# EAGLE board Mk4 Final Panel 8up 2x4 (EAGLE 9.0.1), part 14 of 23
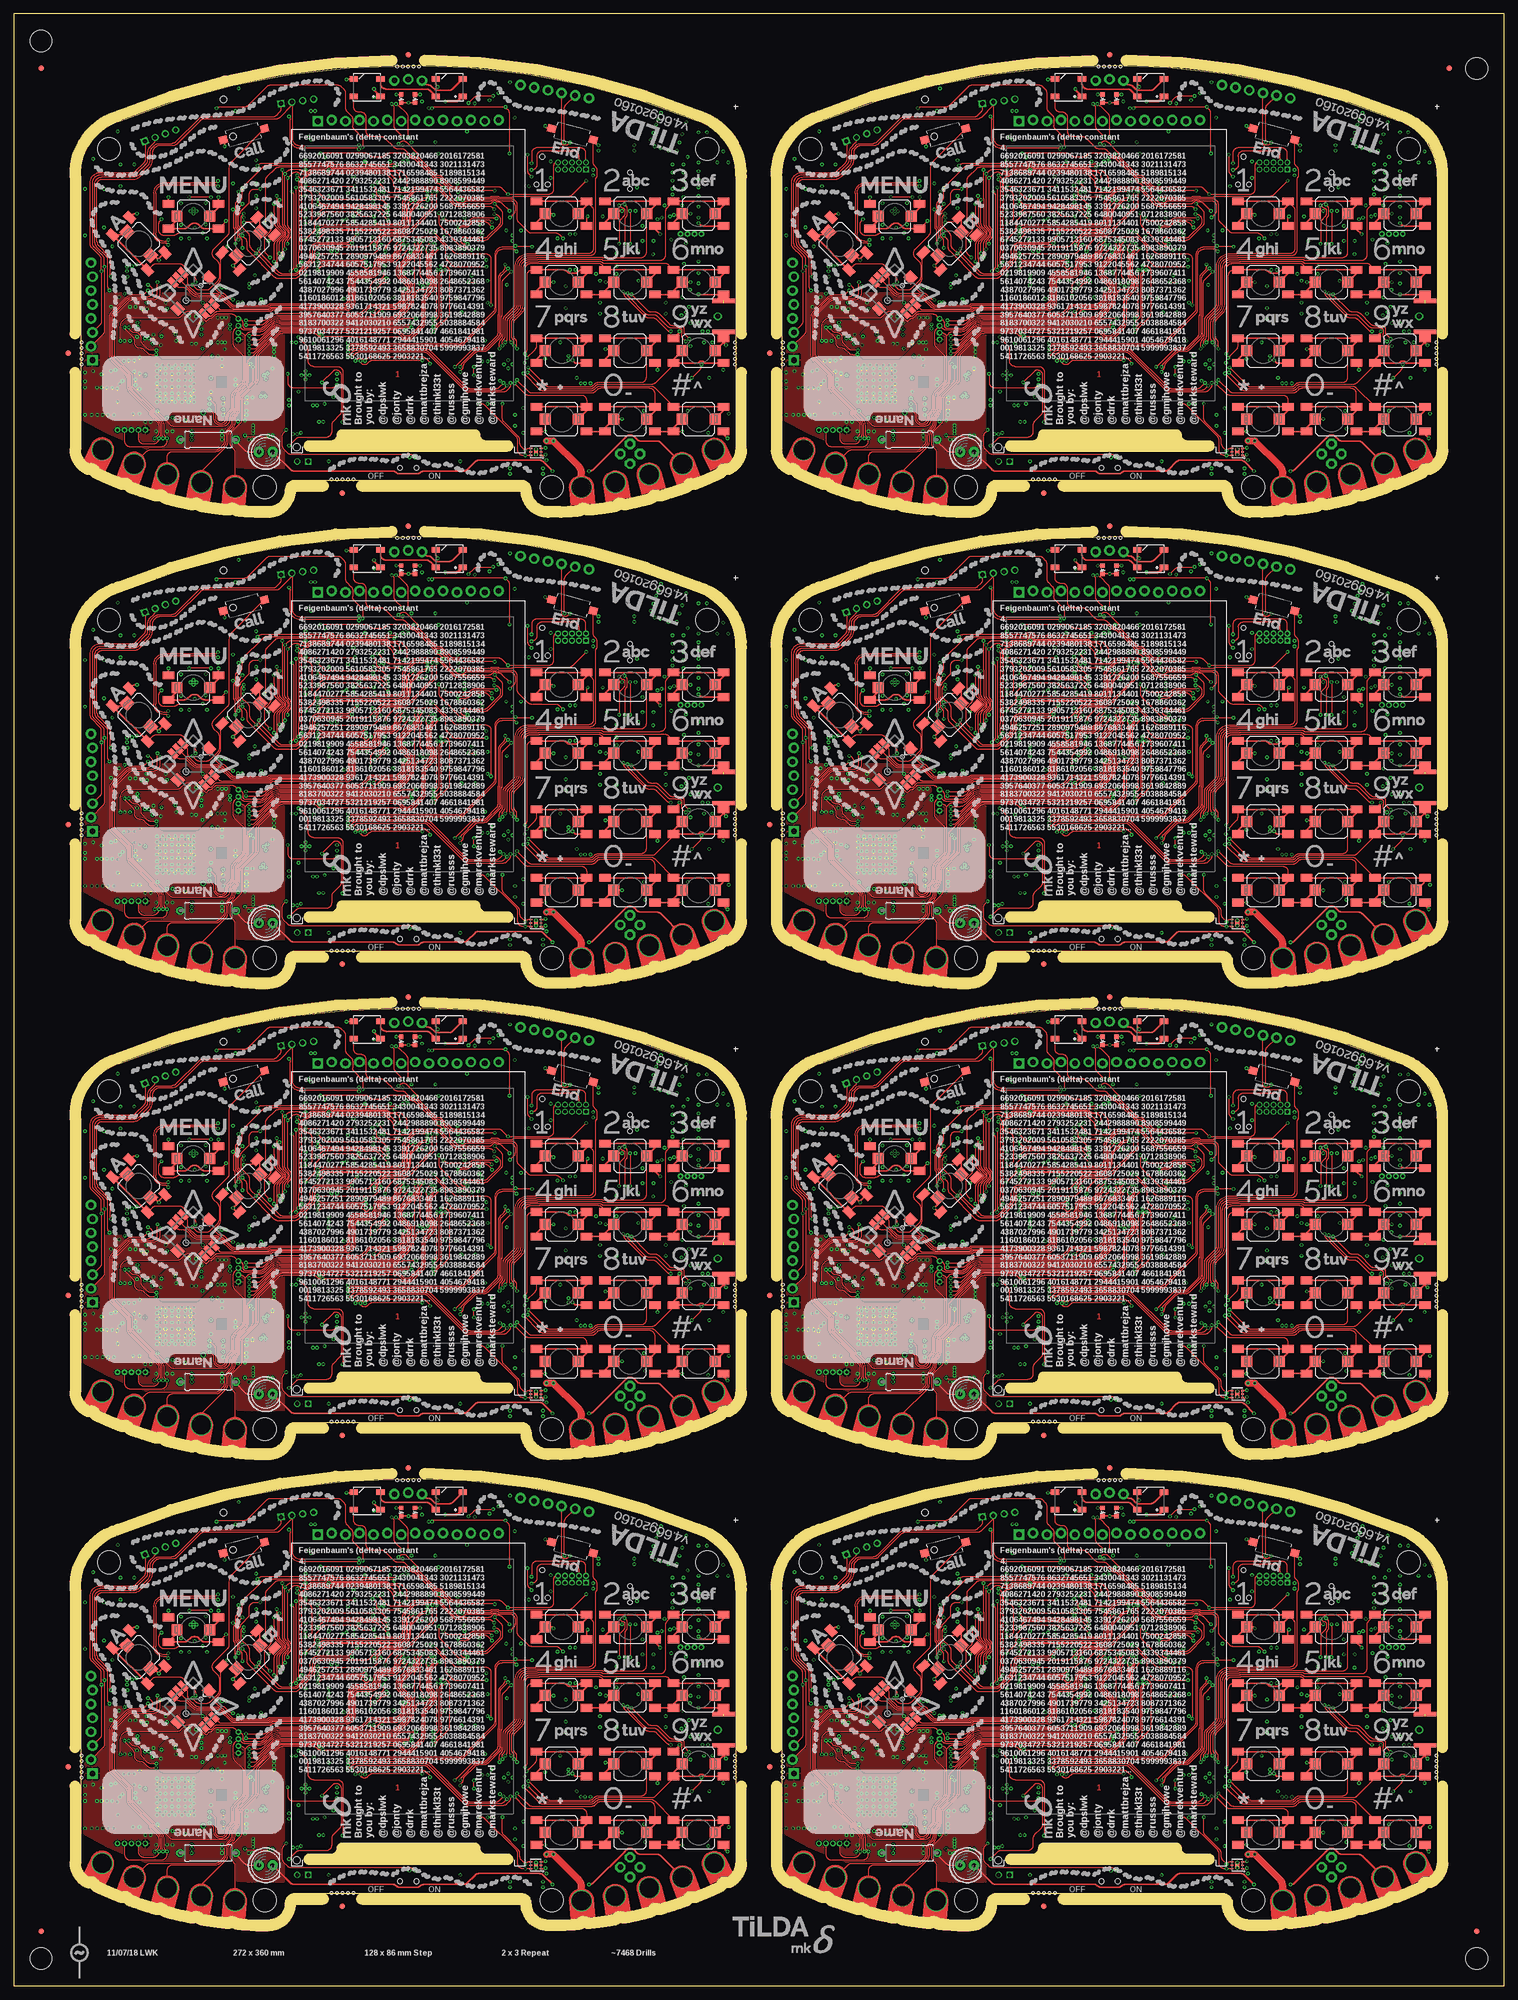
[diagram p0: board, top side]
## Tracks (layer width: path | path; a pad name or v marks a point on that pad's centre or on a via) (continued)
I2C5_EXT_SDA  (via drill 0.3) (continued)
  Bottom 0.2: IC1.120 80.92,62 arc-45 81.28,61.85 81.43,61.7 arc45 81.78,61.56 82.99,61.56 arc-45 83.34,61.41 R23.1 84.2,60.55 arc45 84.56,60.4 84.9,60.4 arc-90 85.4,59.9 85.4,59.21 arc-45 85.11,58.51 84.97,58.38 84.97,53.96 arc45 85.27,53.26 85.56,52.97 arc45 86.26,52.67 87.91,52.67 arc-45 88.62,52.38 94.66,46.34 arc-45 95.1,45.28 95.1,39.37 arc45 95.47,38.49 100.19,33.77 arc45 101.07,33.4 105.49,33.4 arc-45 106.19,33.11 109.56,29.75 arc-45 109.85,29.04 109.85,22.92 arc45 110.14,22.21 J11.4 112.09,21.65 arc-45 112.79,21.36 115.71,18.44 arc-45 PCB.SDA | JP6.7 v17.74,53.99 v17.75,54
  Bottom 0.3: J8.6 J8.2
I2C5_EXT_SDA1  (via drill 0.3)
  Top 0.2: v145.75,54 145.72,54.02 arc-45 145.5,54.57 145.5,57.24 arc45 145.21,57.94 143.49,59.66 arc-45 143.2,60.36 143.2,70.8 arc-90 144.2,71.8 149.88,71.8 arc45 151.11,72.31 152.79,73.99 arc45 153.3,75.22 153.3,76.64 arc-45 153.59,77.34 153.86,77.61 arc-45 154.56,77.9 156.93,77.9 arc45 157.82,78.27 162.01,82.46 arc-45 162.71,82.75 175.84,82.75 arc45 176.54,83.04 178.76,85.26 J18.2 178.76,85.24 178.9,85.1 178.9,79.3 arc90 180.4,77.8 190.8,77.8 v191,78
  3V3@2 0.15: v203.3,62.2 203.3,63.2 198.72,67.78 198.46,67.78 197.97,68.26 197.97,68.53 196.3,70.2 196.3,72.8 195.9,73.2 191.3,73.2 190.7,73.8 190.7,76.7 190.4,77 190.4,77.4 v191,78
  Bottom 0.15: IC20.120 206.92,62 arc-45 206.91,62 arc45 206.74,62.08 arc-45 206.03,62.37 205.72,62.68 arc45 205.01,62.98 204.49,62.98 arc45 203.78,62.68 v203.3,62.2
  Bottom 0.2: IC20.120 208.93,62 arc-45 209.28,61.85 209.43,61.7 arc45 209.78,61.56 210.99,61.56 arc-45 211.34,61.41 R105.1 212.2,60.55 arc45 212.56,60.4 212.9,60.4 arc-90 213.4,59.9 213.4,59.21 arc-45 213.11,58.51 212.97,58.38 212.97,53.96 arc45 213.27,53.26 213.56,52.97 arc45 214.26,52.67 215.91,52.67 arc-45 216.62,52.38 222.66,46.34 arc-45 223.1,45.28 223.1,39.37 arc45 223.47,38.49 228.19,33.77 arc45 229.07,33.4 233.49,33.4 arc-45 234.19,33.11 237.56,29.75 arc-45 237.85,29.04 237.85,22.92 arc45 238.14,22.21 J20.4 240.09,21.65 arc-45 240.79,21.36 243.71,18.44 arc-45 PCB1.SDA | JP17.7 v145.74,53.99 v145.75,54
  Bottom 0.3: J18.6 J18.2
I2C5_EXT_SDA2  (via drill 0.3)
  Top 0.2: v17.75,140 17.73,140.03 arc-45 17.5,140.57 17.5,143.24 arc45 17.21,143.94 15.49,145.66 arc-45 15.2,146.36 15.2,156.8 arc-90 16.2,157.8 21.88,157.8 arc45 23.11,158.31 24.79,159.99 arc45 25.3,161.22 25.3,162.64 arc-45 25.59,163.34 25.86,163.61 arc-45 26.56,163.9 28.93,163.9 arc45 29.82,164.27 34.01,168.46 arc-45 34.71,168.75 47.84,168.75 arc45 48.54,169.04 50.76,171.26 J28.2 50.76,171.24 50.9,171.1 50.9,165.3 arc90 52.4,163.8 62.8,163.8 v63,164
  3V3@2 0.15: v75.3,148.2 75.3,149.2 70.72,153.78 70.46,153.78 69.97,154.26 69.97,154.53 68.3,156.2 68.3,158.8 67.9,159.2 63.3,159.2 62.7,159.8 62.7,162.7 62.4,163 62.4,163.4 v63,164
  Bottom 0.15: IC38.120 78.92,148 arc-45 78.91,148 arc45 78.74,148.07 arc-45 78.03,148.37 77.72,148.68 arc45 77.01,148.97 76.49,148.97 arc45 75.78,148.68 v75.3,148.2
  Bottom 0.2: IC38.120 80.92,148 arc-45 81.28,147.85 81.43,147.7 arc45 81.78,147.56 82.99,147.56 arc-45 83.34,147.41 R183.1 84.2,146.55 arc45 84.56,146.4 84.9,146.4 arc-90 85.4,145.9 85.4,145.21 arc-45 85.11,144.51 84.97,144.38 84.97,139.96 arc45 85.27,139.25 85.56,138.97 arc45 86.26,138.68 87.91,138.68 arc-45 88.62,138.38 94.66,132.34 arc-45 95.1,131.28 95.1,125.37 arc45 95.47,124.49 100.19,119.77 arc45 101.07,119.4 105.49,119.4 arc-45 106.19,119.11 109.56,115.75 arc-45 109.85,115.04 109.85,108.92 arc45 110.14,108.21 J30.4 112.09,107.65 arc-45 112.79,107.36 115.71,104.44 arc-45 PCB2.SDA | JP26.7 v17.74,139.99 v17.75,140
  Bottom 0.3: J28.6 J28.2
I2C5_EXT_SDA3  (via drill 0.3)
  Top 0.2: v145.75,140 145.72,140.03 arc-45 145.5,140.57 145.5,143.24 arc45 145.21,143.94 143.49,145.66 arc-45 143.2,146.36 143.2,156.8 arc-90 144.2,157.8 149.88,157.8 arc45 151.11,158.31 152.79,159.99 arc45 153.3,161.22 153.3,162.64 arc-45 153.59,163.34 153.86,163.61 arc-45 154.56,163.9 156.93,163.9 arc45 157.82,164.27 162.01,168.46 arc-45 162.71,168.75 175.84,168.75 arc45 176.54,169.04 178.76,171.26 J38.2 178.76,171.24 178.9,171.1 178.9,165.3 arc90 180.4,163.8 190.8,163.8 v191,164
  3V3@2 0.15: v203.3,148.2 203.3,149.2 198.72,153.78 198.46,153.78 197.97,154.26 197.97,154.53 196.3,156.2 196.3,158.8 195.9,159.2 191.3,159.2 190.7,159.8 190.7,162.7 190.4,163 190.4,163.4 v191,164
  Bottom 0.15: IC56.120 206.92,148 arc-45 206.91,148 arc45 206.74,148.07 arc-45 206.03,148.37 205.72,148.68 arc45 205.01,148.97 204.49,148.97 arc45 203.78,148.68 v203.3,148.2
  Bottom 0.2: IC56.120 208.93,148 arc-45 209.28,147.85 209.43,147.7 arc45 209.78,147.56 210.99,147.56 arc-45 211.34,147.41 R261.1 212.2,146.55 arc45 212.56,146.4 212.9,146.4 arc-90 213.4,145.9 213.4,145.21 arc-45 213.11,144.51 212.97,144.38 212.97,139.96 arc45 213.27,139.25 213.56,138.97 arc45 214.26,138.68 215.91,138.68 arc-45 216.62,138.38 222.66,132.34 arc-45 223.1,131.28 223.1,125.37 arc45 223.47,124.49 228.19,119.77 arc45 229.07,119.4 233.49,119.4 arc-45 234.19,119.11 237.56,115.75 arc-45 237.85,115.04 237.85,108.92 arc45 238.14,108.21 J40.4 240.09,107.65 arc-45 240.79,107.36 243.71,104.44 arc-45 PCB3.SDA | JP35.7 v145.74,139.99 v145.75,140
  Bottom 0.3: J38.6 J38.2
I2C5_EXT_SDA4  (via drill 0.3)
  Top 0.2: v17.75,226 17.73,226.03 arc-45 17.5,226.57 17.5,229.24 arc45 17.21,229.94 15.49,231.66 arc-45 15.2,232.36 15.2,242.8 arc-90 16.2,243.8 21.88,243.8 arc45 23.11,244.31 24.79,245.99 arc45 25.3,247.22 25.3,248.64 arc-45 25.59,249.34 25.86,249.61 arc-45 26.56,249.9 28.93,249.9 arc45 29.82,250.27 34.01,254.46 arc-45 34.71,254.75 47.84,254.75 arc45 48.54,255.04 50.76,257.26 J48.2 50.76,257.24 50.9,257.1 50.9,251.3 arc90 52.4,249.8 62.8,249.8 v63,250
  3V3@2 0.15: v75.3,234.2 75.3,235.2 70.72,239.78 70.46,239.78 69.97,240.26 69.97,240.53 68.3,242.2 68.3,244.8 67.9,245.2 63.3,245.2 62.7,245.8 62.7,248.7 62.4,249 62.4,249.4 v63,250
  Bottom 0.15: IC74.120 78.92,234 arc-45 78.91,234 arc45 78.74,234.07 arc-45 78.03,234.37 77.72,234.68 arc45 77.01,234.97 76.49,234.97 arc45 75.78,234.68 v75.3,234.2
  Bottom 0.2: IC74.120 80.92,234 arc-45 81.28,233.85 81.43,233.7 arc45 81.78,233.56 82.99,233.56 arc-45 83.34,233.41 R339.1 84.2,232.55 arc45 84.56,232.4 84.9,232.4 arc-90 85.4,231.9 85.4,231.21 arc-45 85.11,230.51 84.97,230.38 84.97,225.96 arc45 85.27,225.25 85.56,224.97 arc45 86.26,224.68 87.91,224.68 arc-45 88.62,224.38 94.66,218.34 arc-45 95.1,217.28 95.1,211.37 arc45 95.47,210.49 100.19,205.77 arc45 101.07,205.4 105.49,205.4 arc-45 106.19,205.11 109.56,201.75 arc-45 109.85,201.04 109.85,194.92 arc45 110.14,194.21 J50.4 112.09,193.65 arc-45 112.79,193.36 115.71,190.44 arc-45 PCB4.SDA | JP44.7 v17.74,225.99 v17.75,226
  Bottom 0.3: J48.6 J48.2
I2C5_EXT_SDA5  (via drill 0.3)
  Top 0.2: v145.75,226 145.72,226.03 arc-45 145.5,226.57 145.5,229.24 arc45 145.21,229.94 143.49,231.66 arc-45 143.2,232.36 143.2,242.8 arc-90 144.2,243.8 149.88,243.8 arc45 151.11,244.31 152.79,245.99 arc45 153.3,247.22 153.3,248.64 arc-45 153.59,249.34 153.86,249.61 arc-45 154.56,249.9 156.93,249.9 arc45 157.82,250.27 162.01,254.46 arc-45 162.71,254.75 175.84,254.75 arc45 176.54,255.04 178.76,257.26 J58.2 178.76,257.24 178.9,257.1 178.9,251.3 arc90 180.4,249.8 190.8,249.8 v191,250
  3V3@2 0.15: v203.3,234.2 203.3,235.2 198.72,239.78 198.46,239.78 197.97,240.26 197.97,240.53 196.3,242.2 196.3,244.8 195.9,245.2 191.3,245.2 190.7,245.8 190.7,248.7 190.4,249 190.4,249.4 v191,250
  Bottom 0.15: IC92.120 206.92,234 arc-45 206.91,234 arc45 206.74,234.07 arc-45 206.03,234.37 205.72,234.68 arc45 205.01,234.97 204.49,234.97 arc45 203.78,234.68 v203.3,234.2
  Bottom 0.2: IC92.120 208.93,234 arc-45 209.28,233.85 209.43,233.7 arc45 209.78,233.56 210.99,233.56 arc-45 211.34,233.41 R417.1 212.2,232.55 arc45 212.56,232.4 212.9,232.4 arc-90 213.4,231.9 213.4,231.21 arc-45 213.11,230.51 212.97,230.38 212.97,225.96 arc45 213.27,225.25 213.56,224.97 arc45 214.26,224.68 215.91,224.68 arc-45 216.62,224.38 222.66,218.34 arc-45 223.1,217.28 223.1,211.37 arc45 223.47,210.49 228.19,205.77 arc45 229.07,205.4 233.49,205.4 arc-45 234.19,205.11 237.56,201.75 arc-45 237.85,201.04 237.85,194.92 arc45 238.14,194.21 J60.4 240.09,193.65 arc-45 240.79,193.36 243.71,190.44 arc-45 PCB5.SDA | JP53.7 v145.74,225.99 v145.75,226
  Bottom 0.3: J58.6 J58.2
I2C5_EXT_SDA6  (via drill 0.3)
  Top 0.2: v17.75,312 17.73,312.02 arc-45 17.5,312.57 17.5,315.24 arc45 17.21,315.94 15.49,317.66 arc-45 15.2,318.36 15.2,328.8 arc-90 16.2,329.8 21.88,329.8 arc45 23.11,330.31 24.79,331.99 arc45 25.3,333.23 25.3,334.64 arc-45 25.59,335.34 25.86,335.61 arc-45 26.56,335.9 28.93,335.9 arc45 29.82,336.27 34.01,340.46 arc-45 34.71,340.75 47.84,340.75 arc45 48.54,341.04 50.76,343.26 J68.2 50.76,343.24 50.9,343.1 50.9,337.3 arc90 52.4,335.8 62.8,335.8 v63,336
  3V3@2 0.15: v75.3,320.2 75.3,321.2 70.72,325.77 70.46,325.77 69.97,326.26 69.97,326.52 68.3,328.2 68.3,330.8 67.9,331.2 63.3,331.2 62.7,331.8 62.7,334.7 62.4,335 62.4,335.4 v63,336
  Bottom 0.15: IC110.120 78.92,320 arc-45 78.91,320 arc45 78.74,320.07 arc-45 78.03,320.37 77.72,320.68 arc45 77.01,320.98 76.49,320.98 arc45 75.78,320.68 v75.3,320.2
  Bottom 0.2: IC110.120 80.92,320 arc-45 81.28,319.85 81.43,319.7 arc45 81.78,319.56 82.99,319.56 arc-45 83.34,319.41 R495.1 84.2,318.55 arc45 84.56,318.4 84.9,318.4 arc-90 85.4,317.9 85.4,317.21 arc-45 85.11,316.51 84.97,316.38 84.97,311.96 arc45 85.27,311.25 85.56,310.97 arc45 86.26,310.68 87.91,310.68 arc-45 88.62,310.38 94.66,304.34 arc-45 95.1,303.28 95.1,297.37 arc45 95.47,296.49 100.19,291.77 arc45 101.07,291.4 105.49,291.4 arc-45 106.19,291.11 109.56,287.75 arc-45 109.85,287.04 109.85,280.92 arc45 110.14,280.21 J70.4 112.09,279.65 arc-45 112.79,279.36 115.71,276.44 arc-45 PCB6.SDA | JP62.7 v17.74,311.99 v17.75,312
  Bottom 0.3: J68.6 J68.2
I2C5_EXT_SDA7  (via drill 0.3)
  Top 0.2: v145.75,312 145.72,312.02 arc-45 145.5,312.57 145.5,315.24 arc45 145.21,315.94 143.49,317.66 arc-45 143.2,318.36 143.2,328.8 arc-90 144.2,329.8 149.88,329.8 arc45 151.11,330.31 152.79,331.99 arc45 153.3,333.23 153.3,334.64 arc-45 153.59,335.34 153.86,335.61 arc-45 154.56,335.9 156.93,335.9 arc45 157.82,336.27 162.01,340.46 arc-45 162.71,340.75 175.84,340.75 arc45 176.54,341.04 178.76,343.26 J78.2 178.76,343.24 178.9,343.1 178.9,337.3 arc90 180.4,335.8 190.8,335.8 v191,336
  3V3@2 0.15: v203.3,320.2 203.3,321.2 198.72,325.77 198.46,325.77 197.97,326.26 197.97,326.52 196.3,328.2 196.3,330.8 195.9,331.2 191.3,331.2 190.7,331.8 190.7,334.7 190.4,335 190.4,335.4 v191,336
  Bottom 0.15: IC128.120 206.92,320 arc-45 206.91,320 arc45 206.74,320.07 arc-45 206.03,320.37 205.72,320.68 arc45 205.01,320.98 204.49,320.98 arc45 203.78,320.68 v203.3,320.2
  Bottom 0.2: IC128.120 208.93,320 arc-45 209.28,319.85 209.43,319.7 arc45 209.78,319.56 210.99,319.56 arc-45 211.34,319.41 R573.1 212.2,318.55 arc45 212.56,318.4 212.9,318.4 arc-90 213.4,317.9 213.4,317.21 arc-45 213.11,316.51 212.97,316.38 212.97,311.96 arc45 213.27,311.25 213.56,310.97 arc45 214.26,310.68 215.91,310.68 arc-45 216.62,310.38 222.66,304.34 arc-45 223.1,303.28 223.1,297.37 arc45 223.47,296.49 228.19,291.77 arc45 229.07,291.4 233.49,291.4 arc-45 234.19,291.11 237.56,287.75 arc-45 237.85,287.04 237.85,280.92 arc45 238.14,280.21 J80.4 240.09,279.65 arc-45 240.79,279.36 243.71,276.44 arc-45 PCB7.SDA | JP71.7 v145.74,311.99 v145.75,312
  Bottom 0.3: J78.6 J78.2
JOY_CEN  (via drill 0.3)
  Top 0.15: SW1.CTR 32.77,51.02 arc45 33.66,50.66 36.79,50.66 arc-45 37.15,50.51 37.16,50.5 arc45 37.52,50.35 37.78,50.35 arc-45 38.13,50.2 39.49,48.84 arc45 40.38,48.48 46.44,48.48 arc45 46.61,48.55 46.74,48.68 arc-45 46.92,48.75 60.28,48.75 arc90 61.45,49.92 61.45,53.59 arc-90 62.56,54.7 64.85,54.7 arc90 66.1,55.95 66.1,56.35 arc-90 67.35,57.6 68.92,57.6 arc45 69.27,57.75 69.75,58.23 arc45 69.9,58.58 69.9,59.09 arc-45 70.05,59.45 v71.2,60.6
  Bottom 0.15: v71.2,60.6 70.99,60.81 arc-45 70.7,61.51 70.7,66.09 arc45 70.41,66.79 68.89,68.31 arc-45 68.6,69.01 IC1.72
JOY_CEN1  (via drill 0.3)
  Top 0.15: SW2.CTR 160.78,51.02 arc45 161.66,50.66 164.79,50.66 arc-45 165.15,50.51 165.16,50.5 arc45 165.52,50.35 165.78,50.35 arc-45 166.13,50.2 167.49,48.84 arc45 168.38,48.48 174.44,48.48 arc45 174.62,48.55 174.74,48.68 arc-45 174.92,48.75 188.28,48.75 arc90 189.45,49.92 189.45,53.59 arc-90 190.56,54.7 192.85,54.7 arc90 194.1,55.95 194.1,56.35 arc-90 195.35,57.6 196.92,57.6 arc45 197.27,57.75 197.75,58.23 arc45 197.9,58.58 197.9,59.09 arc-45 198.05,59.45 v199.2,60.6
  Bottom 0.15: v199.2,60.6 198.99,60.81 arc-45 198.7,61.51 198.7,66.09 arc45 198.41,66.79 196.89,68.31 arc-45 196.6,69.01 IC20.72
JOY_CEN2  (via drill 0.3)
  Top 0.15: SW3.CTR 32.77,137.03 arc45 33.66,136.66 36.79,136.66 arc-45 37.15,136.51 37.16,136.5 arc45 37.52,136.35 37.78,136.35 arc-45 38.13,136.2 39.49,134.84 arc45 40.38,134.47 46.44,134.47 arc45 46.61,134.55 46.74,134.68 arc-45 46.92,134.75 60.28,134.75 arc90 61.45,135.92 61.45,139.59 arc-90 62.56,140.7 64.85,140.7 arc90 66.1,141.95 66.1,142.35 arc-90 67.35,143.6 68.92,143.6 arc45 69.27,143.75 69.75,144.23 arc45 69.9,144.58 69.9,145.09 arc-45 70.05,145.45 v71.2,146.6
  Bottom 0.15: v71.2,146.6 70.99,146.81 arc-45 70.7,147.51 70.7,152.09 arc45 70.41,152.79 68.89,154.31 arc-45 68.6,155.01 IC38.72
JOY_CEN3  (via drill 0.3)
  Top 0.15: SW4.CTR 160.78,137.03 arc45 161.66,136.66 164.79,136.66 arc-45 165.15,136.51 165.16,136.5 arc45 165.52,136.35 165.78,136.35 arc-45 166.13,136.2 167.49,134.84 arc45 168.38,134.47 174.44,134.47 arc45 174.62,134.55 174.74,134.68 arc-45 174.92,134.75 188.28,134.75 arc90 189.45,135.92 189.45,139.59 arc-90 190.56,140.7 192.85,140.7 arc90 194.1,141.95 194.1,142.35 arc-90 195.35,143.6 196.92,143.6 arc45 197.27,143.75 197.75,144.23 arc45 197.9,144.58 197.9,145.09 arc-45 198.05,145.45 v199.2,146.6
  Bottom 0.15: v199.2,146.6 198.99,146.81 arc-45 198.7,147.51 198.7,152.09 arc45 198.41,152.79 196.89,154.31 arc-45 196.6,155.01 IC56.72
JOY_CEN4  (via drill 0.3)
  Top 0.15: SW5.CTR 32.77,223.03 arc45 33.66,222.66 36.79,222.66 arc-45 37.15,222.51 37.16,222.5 arc45 37.52,222.35 37.78,222.35 arc-45 38.13,222.2 39.49,220.84 arc45 40.38,220.47 46.44,220.47 arc45 46.61,220.55 46.74,220.68 arc-45 46.92,220.75 60.28,220.75 arc90 61.45,221.92 61.45,225.59 arc-90 62.56,226.7 64.85,226.7 arc90 66.1,227.95 66.1,228.35 arc-90 67.35,229.6 68.92,229.6 arc45 69.27,229.75 69.75,230.23 arc45 69.9,230.58 69.9,231.09 arc-45 70.05,231.45 v71.2,232.6
  Bottom 0.15: v71.2,232.6 70.99,232.81 arc-45 70.7,233.51 70.7,238.09 arc45 70.41,238.79 68.89,240.31 arc-45 68.6,241.01 IC74.72
JOY_CEN5  (via drill 0.3)
  Top 0.15: SW6.CTR 160.78,223.03 arc45 161.66,222.66 164.79,222.66 arc-45 165.15,222.51 165.16,222.5 arc45 165.52,222.35 165.78,222.35 arc-45 166.13,222.2 167.49,220.84 arc45 168.38,220.47 174.44,220.47 arc45 174.62,220.55 174.74,220.68 arc-45 174.92,220.75 188.28,220.75 arc90 189.45,221.92 189.45,225.59 arc-90 190.56,226.7 192.85,226.7 arc90 194.1,227.95 194.1,228.35 arc-90 195.35,229.6 196.92,229.6 arc45 197.27,229.75 197.75,230.23 arc45 197.9,230.58 197.9,231.09 arc-45 198.05,231.45 v199.2,232.6
  Bottom 0.15: v199.2,232.6 198.99,232.81 arc-45 198.7,233.51 198.7,238.09 arc45 198.41,238.79 196.89,240.31 arc-45 196.6,241.01 IC92.72
JOY_CEN6  (via drill 0.3)
  Top 0.15: SW7.CTR 32.77,309.02 arc45 33.66,308.66 36.79,308.66 arc-45 37.15,308.51 37.16,308.5 arc45 37.52,308.35 37.78,308.35 arc-45 38.13,308.2 39.49,306.84 arc45 40.38,306.48 46.44,306.48 arc45 46.61,306.55 46.74,306.68 arc-45 46.92,306.75 60.28,306.75 arc90 61.45,307.92 61.45,311.59 arc-90 62.56,312.7 64.85,312.7 arc90 66.1,313.95 66.1,314.35 arc-90 67.35,315.6 68.92,315.6 arc45 69.27,315.75 69.75,316.23 arc45 69.9,316.58 69.9,317.09 arc-45 70.05,317.45 v71.2,318.6
  Bottom 0.15: v71.2,318.6 70.99,318.81 arc-45 70.7,319.51 70.7,324.09 arc45 70.41,324.79 68.89,326.31 arc-45 68.6,327.01 IC110.72
JOY_CEN7  (via drill 0.3)
  Top 0.15: SW8.CTR 160.78,309.02 arc45 161.66,308.66 164.79,308.66 arc-45 165.15,308.51 165.16,308.5 arc45 165.52,308.35 165.78,308.35 arc-45 166.13,308.2 167.49,306.84 arc45 168.38,306.48 174.44,306.48 arc45 174.62,306.55 174.74,306.68 arc-45 174.92,306.75 188.28,306.75 arc90 189.45,307.92 189.45,311.59 arc-90 190.56,312.7 192.85,312.7 arc90 194.1,313.95 194.1,314.35 arc-90 195.35,315.6 196.92,315.6 arc45 197.27,315.75 197.75,316.23 arc45 197.9,316.58 197.9,317.09 arc-45 198.05,317.45 v199.2,318.6
  Bottom 0.15: v199.2,318.6 198.99,318.81 arc-45 198.7,319.51 198.7,324.09 arc45 198.41,324.79 196.89,326.31 arc-45 196.6,327.01 IC128.72
JOY_DOWN  (via drill 0.3)
  Top 0.15: v72,59.8 72,59.41 arc-45 71.71,58.71 69.85,56.85 arc-45 69.49,56.7 67.5,56.7 arc90 67,56.2 67,55.8 arc-90 65,53.8 62.95,53.8 arc90 62.35,53.2 62.35,49.52 arc-90 60.67,47.85 47.29,47.85 arc45 47.12,47.78 46.99,47.65 arc-45 46.81,47.58 37.08,47.58 arc45 36.73,47.43 36.15,46.85 arc-45 35.79,46.7 35.3,46.7 SW1.D
  Bottom 0.15: v72,59.8 72.1,59.9 72.1,60.61 arc45 71.81,61.32 71.59,61.53 arc-45 71.3,62.24 71.3,66.69 arc45 71.01,67.39 69.69,68.71 arc-45 69.4,69.41 IC1.74
JOY_DOWN1  (via drill 0.3)
  Top 0.15: v200,59.8 200,59.41 arc-45 199.71,58.71 197.85,56.85 arc-45 197.49,56.7 195.5,56.7 arc90 195,56.2 195,55.8 arc-90 193,53.8 190.94,53.8 arc90 190.35,53.2 190.35,49.52 arc-90 188.68,47.85 175.29,47.85 arc45 175.12,47.78 174.99,47.65 arc-45 174.81,47.58 165.08,47.58 arc45 164.73,47.43 164.15,46.85 arc-45 163.79,46.7 163.3,46.7 SW2.D
  Bottom 0.15: v200,59.8 200.1,59.9 200.1,60.61 arc45 199.81,61.32 199.59,61.53 arc-45 199.3,62.24 199.3,66.69 arc45 199.01,67.39 197.69,68.71 arc-45 197.4,69.41 IC20.74
JOY_DOWN2  (via drill 0.3)
  Top 0.15: v72,145.8 72,145.41 arc-45 71.71,144.71 69.85,142.85 arc-45 69.49,142.7 67.5,142.7 arc90 67,142.2 67,141.8 arc-90 65,139.8 62.95,139.8 arc90 62.35,139.2 62.35,135.53 arc-90 60.67,133.85 47.29,133.85 arc45 47.12,133.78 46.99,133.65 arc-45 46.81,133.57 37.08,133.57 arc45 36.73,133.43 36.15,132.85 arc-45 35.79,132.7 35.3,132.7 SW3.D
  Bottom 0.15: v72,145.8 72.1,145.9 72.1,146.61 arc45 71.81,147.32 71.59,147.53 arc-45 71.3,148.24 71.3,152.69 arc45 71.01,153.39 69.69,154.71 arc-45 69.4,155.41 IC38.74
JOY_DOWN3  (via drill 0.3)
  Top 0.15: v200,145.8 200,145.41 arc-45 199.71,144.71 197.85,142.85 arc-45 197.49,142.7 195.5,142.7 arc90 195,142.2 195,141.8 arc-90 193,139.8 190.94,139.8 arc90 190.35,139.2 190.35,135.53 arc-90 188.68,133.85 175.29,133.85 arc45 175.12,133.78 174.99,133.65 arc-45 174.81,133.57 165.08,133.57 arc45 164.73,133.43 164.15,132.85 arc-45 163.79,132.7 163.3,132.7 SW4.D
  Bottom 0.15: v200,145.8 200.1,145.9 200.1,146.61 arc45 199.81,147.32 199.59,147.53 arc-45 199.3,148.24 199.3,152.69 arc45 199.01,153.39 197.69,154.71 arc-45 197.4,155.41 IC56.74
JOY_DOWN4  (via drill 0.3)
  Top 0.15: v72,231.8 72,231.41 arc-45 71.71,230.71 69.85,228.85 arc-45 69.49,228.7 67.5,228.7 arc90 67,228.2 67,227.8 arc-90 65,225.8 62.95,225.8 arc90 62.35,225.21 62.35,221.53 arc-90 60.67,219.85 47.29,219.85 arc45 47.12,219.78 46.99,219.65 arc-45 46.81,219.57 37.08,219.57 arc45 36.73,219.43 36.15,218.85 arc-45 35.79,218.7 35.3,218.7 SW5.D
  Bottom 0.15: v72,231.8 72.1,231.9 72.1,232.61 arc45 71.81,233.32 71.59,233.53 arc-45 71.3,234.24 71.3,238.69 arc45 71.01,239.39 69.69,240.71 arc-45 69.4,241.41 IC74.74
JOY_DOWN5  (via drill 0.3)
  Top 0.15: v200,231.8 200,231.41 arc-45 199.71,230.71 197.85,228.85 arc-45 197.49,228.7 195.5,228.7 arc90 195,228.2 195,227.8 arc-90 193,225.8 190.94,225.8 arc90 190.35,225.21 190.35,221.53 arc-90 188.68,219.85 175.29,219.85 arc45 175.12,219.78 174.99,219.65 arc-45 174.81,219.57 165.08,219.57 arc45 164.73,219.43 164.15,218.85 arc-45 163.79,218.7 163.3,218.7 SW6.D
  Bottom 0.15: v200,231.8 200.1,231.9 200.1,232.61 arc45 199.81,233.32 199.59,233.53 arc-45 199.3,234.24 199.3,238.69 arc45 199.01,239.39 197.69,240.71 arc-45 197.4,241.41 IC92.74
JOY_DOWN6  (via drill 0.3)
  Top 0.15: v72,317.8 72,317.41 arc-45 71.71,316.71 69.85,314.85 arc-45 69.49,314.7 67.5,314.7 arc90 67,314.2 67,313.8 arc-90 65,311.8 62.95,311.8 arc90 62.35,311.2 62.35,307.52 arc-90 60.67,305.85 47.29,305.85 arc45 47.12,305.78 46.99,305.65 arc-45 46.81,305.57 37.08,305.57 arc45 36.73,305.43 36.15,304.85 arc-45 35.79,304.7 35.3,304.7 SW7.D
  Bottom 0.15: v72,317.8 72.1,317.9 72.1,318.61 arc45 71.81,319.32 71.59,319.53 arc-45 71.3,320.24 71.3,324.69 arc45 71.01,325.39 69.69,326.71 arc-45 69.4,327.41 IC110.74
JOY_DOWN7  (via drill 0.3)
  Top 0.15: v200,317.8 200,317.41 arc-45 199.71,316.71 197.85,314.85 arc-45 197.49,314.7 195.5,314.7 arc90 195,314.2 195,313.8 arc-90 193,311.8 190.94,311.8 arc90 190.35,311.2 190.35,307.52 arc-90 188.68,305.85 175.29,305.85 arc45 175.12,305.78 174.99,305.65 arc-45 174.81,305.57 165.08,305.57 arc45 164.73,305.43 164.15,304.85 arc-45 163.79,304.7 163.3,304.7 SW8.D
  Bottom 0.15: v200,317.8 200.1,317.9 200.1,318.61 arc45 199.81,319.32 199.59,319.53 arc-45 199.3,320.24 199.3,324.69 arc45 199.01,325.39 197.69,326.71 arc-45 197.4,327.41 IC128.74
JOY_LEFT  (via drill 0.3)
  Top 0.15: SW1.C 29.65,52.35 arc45 30.35,52.06 30.86,52.06 arc-45 31.56,51.76 32.53,50.8 arc45 33.59,50.36 36.67,50.36 arc-45 37.02,50.21 37.04,50.2 arc45 37.39,50.05 37.65,50.05 arc-45 38.01,49.9 39.3,48.61 arc45 40.36,48.17 46.44,48.17 arc45 46.83,48.34 46.87,48.38 arc-45 47.05,48.45 60.39,48.45 arc90 61.75,49.81 61.75,53.46 arc-90 62.69,54.4 64.9,54.4 arc90 66.4,55.9 66.4,56.3 arc-90 67.4,57.3 69.04,57.3 arc45 69.39,57.45 70.05,58.1 arc45 70.2,58.46 70.2,58.59 arc-45 70.35,58.95 v71.2,59.8
  Bottom 0.15: IC1.73 69,69.21 arc45 69.29,68.51 70.71,67.09 arc-45 71,66.39 71,62.11 arc45 71.29,61.41 71.51,61.19 arc-45 71.8,60.49 arc-45 71.74,60.34 v71.2,59.8
JOY_LEFT1  (via drill 0.3)
  Top 0.15: SW2.C 157.65,52.35 arc45 158.36,52.06 158.86,52.06 arc-45 159.56,51.76 160.53,50.8 arc45 161.59,50.36 164.67,50.36 arc-45 165.02,50.21 165.04,50.2 arc45 165.39,50.05 165.65,50.05 arc-45 166,49.9 167.3,48.61 arc45 168.36,48.17 174.44,48.17 arc45 174.83,48.34 174.87,48.38 arc-45 175.05,48.45 188.39,48.45 arc90 189.75,49.81 189.75,53.46 arc-90 190.69,54.4 192.9,54.4 arc90 194.4,55.9 194.4,56.3 arc-90 195.4,57.3 197.04,57.3 arc45 197.39,57.45 198.05,58.1 arc45 198.2,58.46 198.2,58.59 arc-45 198.35,58.95 v199.2,59.8
  Bottom 0.15: IC20.73 197,69.21 arc45 197.29,68.51 198.71,67.09 arc-45 199,66.39 199,62.11 arc45 199.29,61.41 199.51,61.19 arc-45 199.8,60.49 arc-45 199.74,60.34 v199.2,59.8
JOY_LEFT2  (via drill 0.3)
  Top 0.15: SW3.C 29.65,138.35 arc45 30.35,138.06 30.86,138.06 arc-45 31.56,137.76 32.53,136.8 arc45 33.59,136.36 36.67,136.36 arc-45 37.02,136.21 37.04,136.2 arc45 37.39,136.05 37.65,136.05 arc-45 38.01,135.9 39.3,134.61 arc45 40.36,134.18 46.44,134.18 arc45 46.83,134.34 46.87,134.38 arc-45 47.05,134.45 60.39,134.45 arc90 61.75,135.81 61.75,139.46 arc-90 62.69,140.4 64.9,140.4 arc90 66.4,141.9 66.4,142.3 arc-90 67.4,143.3 69.04,143.3 arc45 69.39,143.45 70.05,144.1 arc45 70.2,144.46 70.2,144.59 arc-45 70.35,144.95 v71.2,145.8
  Bottom 0.15: IC38.73 69,155.21 arc45 69.29,154.51 70.71,153.09 arc-45 71,152.39 71,148.11 arc45 71.29,147.41 71.51,147.19 arc-45 71.8,146.49 arc-45 71.74,146.34 v71.2,145.8
JOY_LEFT3  (via drill 0.3)
  Top 0.15: SW4.C 157.65,138.35 arc45 158.36,138.06 158.86,138.06 arc-45 159.56,137.76 160.53,136.8 arc45 161.59,136.36 164.67,136.36 arc-45 165.02,136.21 165.04,136.2 arc45 165.39,136.05 165.65,136.05 arc-45 166,135.9 167.3,134.61 arc45 168.36,134.18 174.44,134.18 arc45 174.83,134.34 174.87,134.38 arc-45 175.05,134.45 188.39,134.45 arc90 189.75,135.81 189.75,139.46 arc-90 190.69,140.4 192.9,140.4 arc90 194.4,141.9 194.4,142.3 arc-90 195.4,143.3 197.04,143.3 arc45 197.39,143.45 198.05,144.1 arc45 198.2,144.46 198.2,144.59 arc-45 198.35,144.95 v199.2,145.8
  Bottom 0.15: IC56.73 197,155.21 arc45 197.29,154.51 198.71,153.09 arc-45 199,152.39 199,148.11 arc45 199.29,147.41 199.51,147.19 arc-45 199.8,146.49 arc-45 199.74,146.34 v199.2,145.8
JOY_LEFT4  (via drill 0.3)
  Top 0.15: SW5.C 29.65,224.35 arc45 30.35,224.06 30.86,224.06 arc-45 31.56,223.76 32.53,222.8 arc45 33.59,222.36 36.67,222.36 arc-45 37.02,222.21 37.04,222.2 arc45 37.39,222.05 37.65,222.05 arc-45 38.01,221.9 39.3,220.61 arc45 40.36,220.18 46.44,220.18 arc45 46.83,220.34 46.87,220.38 arc-45 47.05,220.45 60.39,220.45 arc90 61.75,221.81 61.75,225.46 arc-90 62.69,226.4 64.9,226.4 arc90 66.4,227.9 66.4,228.3 arc-90 67.4,229.3 69.04,229.3 arc45 69.39,229.45 70.05,230.1 arc45 70.2,230.46 70.2,230.59 arc-45 70.35,230.95 v71.2,231.8
  Bottom 0.15: IC74.73 69,241.21 arc45 69.29,240.51 70.71,239.09 arc-45 71,238.39 71,234.11 arc45 71.29,233.41 71.51,233.19 arc-45 71.8,232.49 arc-45 71.74,232.34 v71.2,231.8
JOY_LEFT5  (via drill 0.3)
  Top 0.15: SW6.C 157.65,224.35 arc45 158.36,224.06 158.86,224.06 arc-45 159.56,223.76 160.53,222.8 arc45 161.59,222.36 164.67,222.36 arc-45 165.02,222.21 165.04,222.2 arc45 165.39,222.05 165.65,222.05 arc-45 166,221.9 167.3,220.61 arc45 168.36,220.18 174.44,220.18 arc45 174.83,220.34 174.87,220.38 arc-45 175.05,220.45 188.39,220.45 arc90 189.75,221.81 189.75,225.46 arc-90 190.69,226.4 192.9,226.4 arc90 194.4,227.9 194.4,228.3 arc-90 195.4,229.3 197.04,229.3 arc45 197.39,229.45 198.05,230.1 arc45 198.2,230.46 198.2,230.59 arc-45 198.35,230.95 v199.2,231.8